# Altium PCB WUT-4-3-3.PcbDoc (part 1 of 4) (continued)
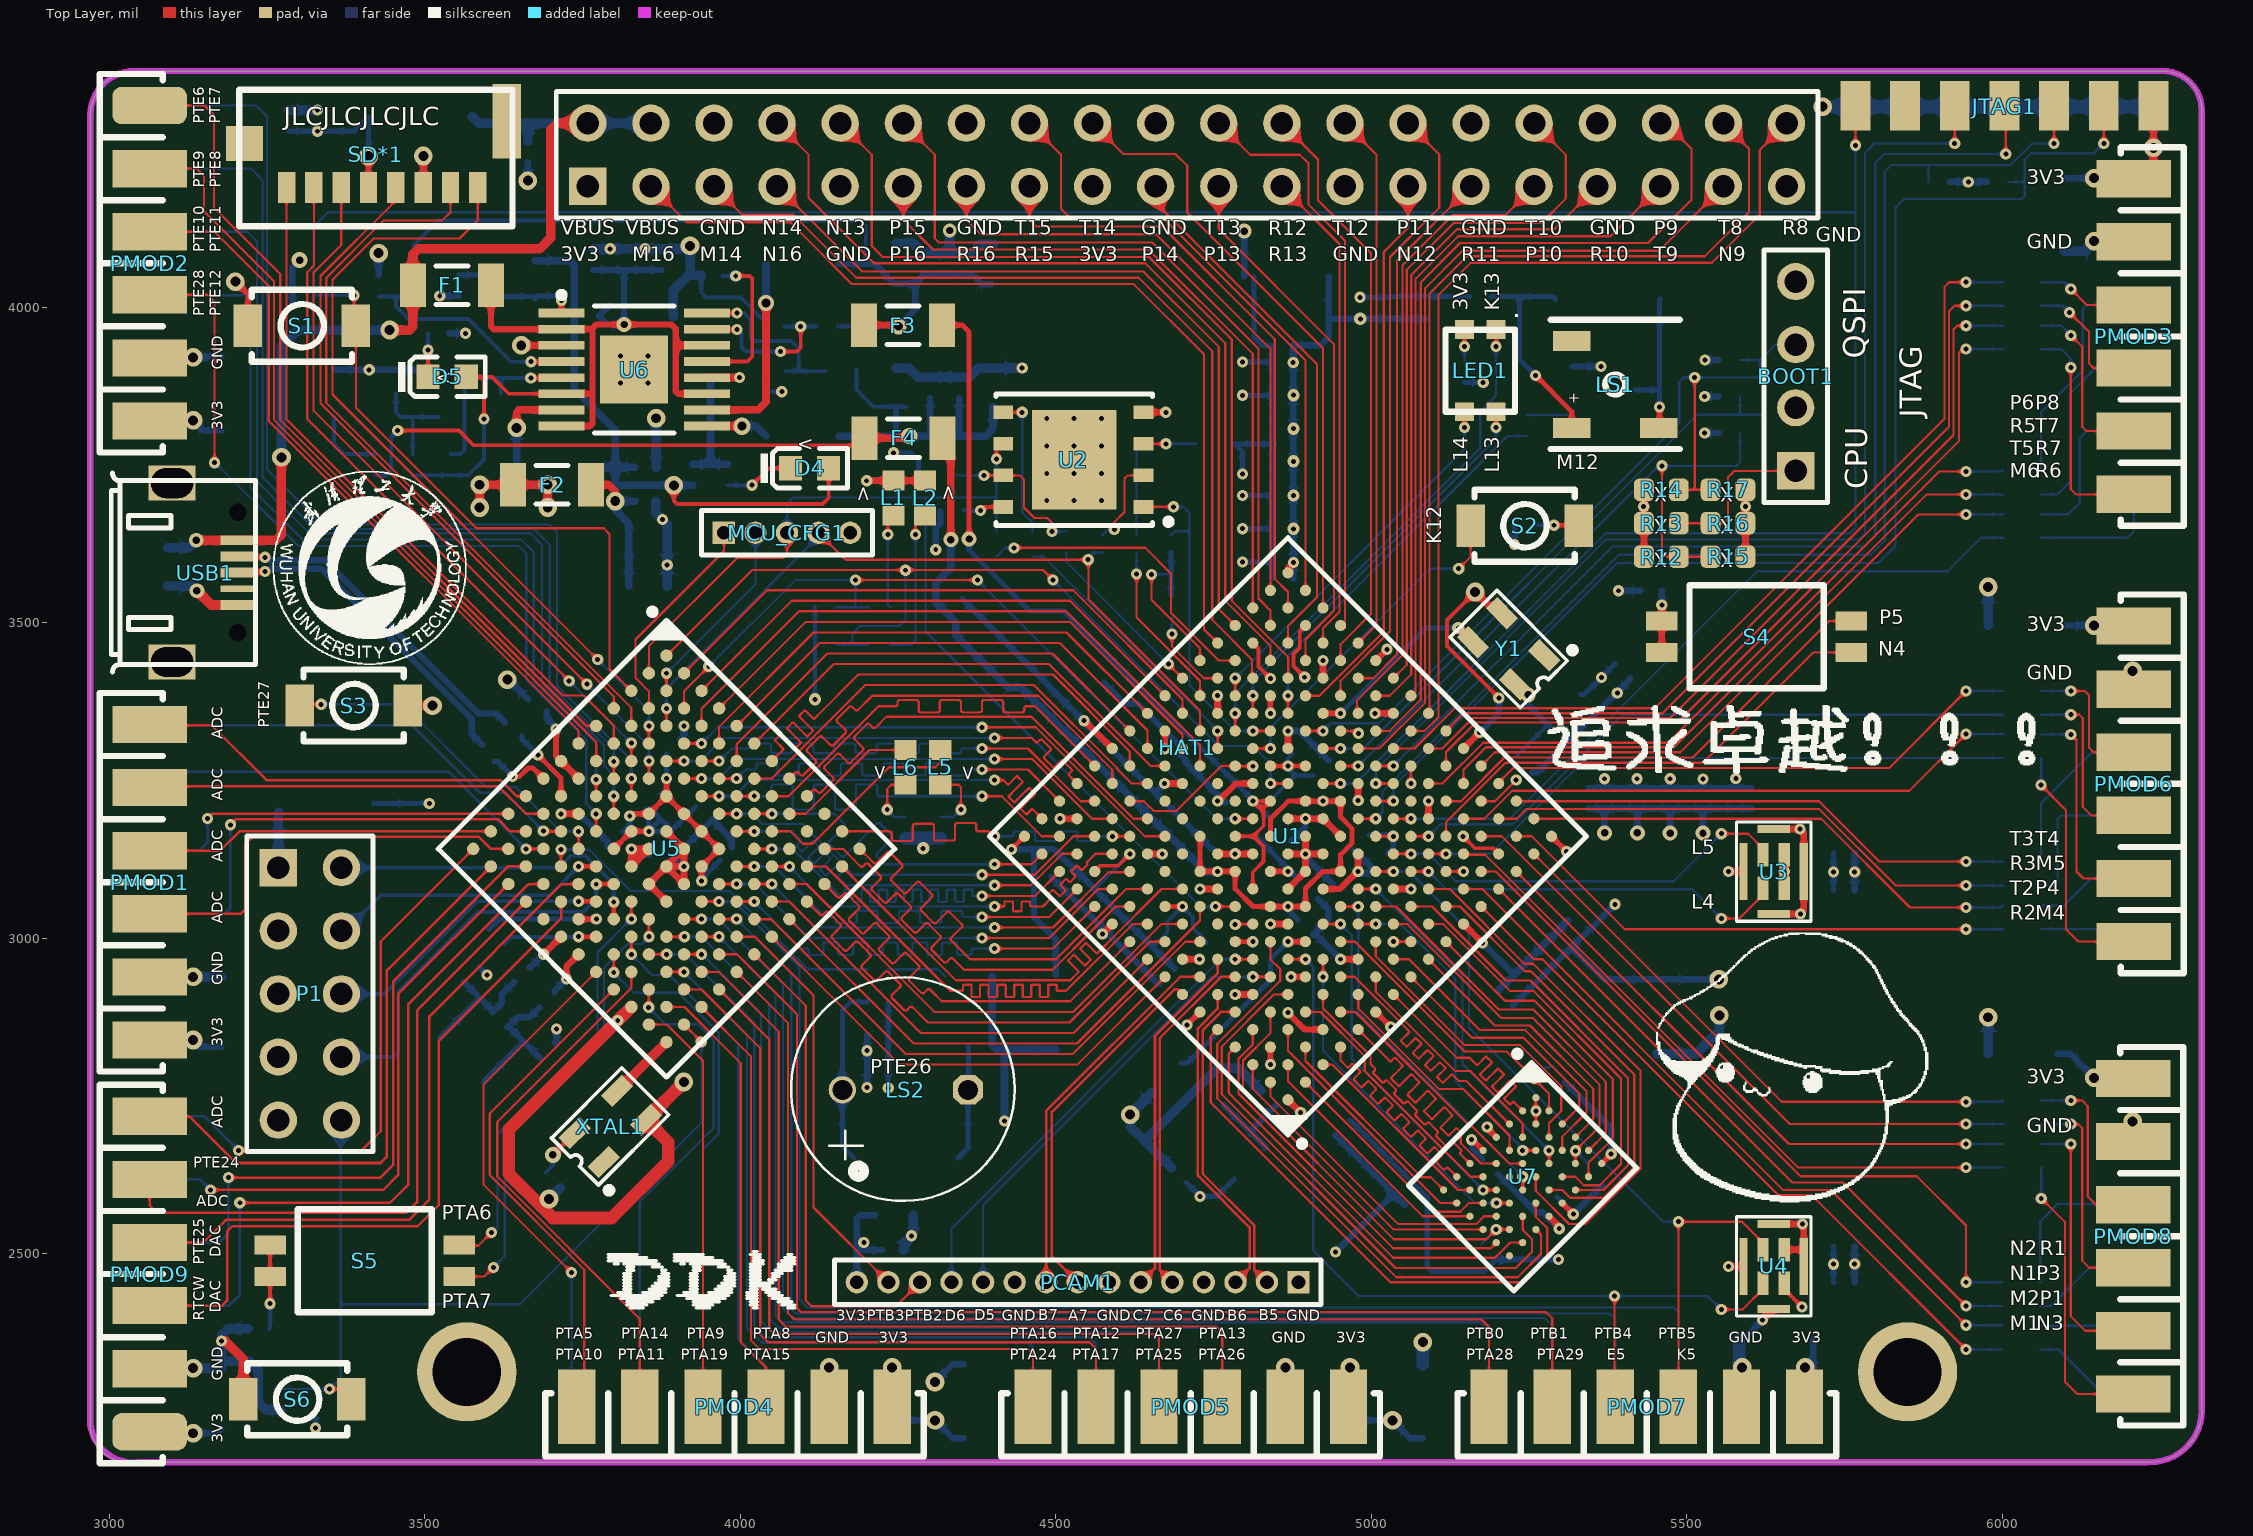
[diagram p0: Top Layer view]
## Components (designator, comment, footprint, x,y, rotation, side; value= is the part's Value field where it differs from the comment)
BOOT1 "Header 4" HDR1X4 5673,3741 r90 top
C1 "100nF (104) 10% 16V" 0402_C 4334,3677 r180 bottom
C2 "100nF (104) 10% 16V" 0402_C 5399,3424 r135 bottom
C3 "100pF (101) 5% 50V" 0402_C 5247,3272 r135 bottom
C4 "100nF (104) 10% 16V" 0402_C 4695,2625 r315 bottom
C5 "100pF (101) 5% 50V" 0402_C 4837,2747 r315 bottom
C6 "470nF (474) 10% 10V" 0402_C 4861,3142 r45 bottom
C7 "10nF (103) 10% 50V" 0402_C 4896,3106.16 r45 bottom
C8 "33nF (333) 20% 50V" 0402_C 5014,3123 r225 bottom
C9 "470nF (474) 10% 10V" 0402_C 4985,3152 r225 bottom
C10 "33nF (333) 20% 50V" 0402_C 4954.8,2699.87 r45 bottom
C11 "33nF (333) 20% 50V" 0402_C 4991.66,2663.19 r45 bottom
C12 "470nF (474) 10% 10V" 0402_C 5028.52,2626.51 r45 bottom
C13 "470nF (474) 10% 10V" 0402_C 5065.37,2589.84 r45 bottom
C14 "470nF (474) 10% 10V" 0402_C 5323.73,3016.19 r315 bottom
C15 "470nF (474) 10% 10V" 0402_C 5287.05,2979.34 r315 bottom
C16 "4.7uF (475) 20% 10V" 0402_C 5250.38,2942.48 r315 bottom
C17 "4.7uF (475) 20% 10V" 0402_C 5213.7,2905.62 r315 bottom
C18 "Cap" LC-1206 4858,4049 r180 bottom value=100uF
C19 "22uF (226) 20% 6.3V" 0603_C 4383.25,3481.4 r225 bottom
C20 "22uF (226) 20% 6.3V" 0603_C 4434,3431.4 r225 bottom
C21 "4.7uF (475) 20% 10V" 0402_C 4896,3017.24 r135 bottom
C22 "4.7uF (475) 20% 10V" 0402_C 4477.62,3387.3 r225 bottom
C23 "470nF (474) 10% 10V" 0402_C 4514.58,3350.54 r225 bottom
C24 "470nF (474) 10% 10V" 0402_C 4551.54,3313.79 r225 bottom
C25 "33nF (333) 20% 50V" 0402_C 4504.85,3109.72 r45 bottom
C26 "470nF (474) 10% 10V" 0402_C 4539.18,3075.76 r45 bottom
C27 "470nF (474) 10% 10V" 0402_C 4573.5,3041.79 r45 bottom
C28 "470nF (474) 10% 10V" 0402_C 4607.83,3007.83 r45 bottom
C29 "470nF (474) 10% 10V" 0402_C 4642.16,2973.87 r45 bottom
C30 "10uF (106) 20% 6.3V" 0402_C 4676.49,2939.91 r45 bottom
C31 "Cap" LC-1206 5453,2876 r90 bottom value=100uF
C32 "33nF (333) 20% 50V" 0402_C 4941,3197 r45 bottom
C33 "33nF (333) 20% 50V" 0402_C 4588.5,3277.03 r225 bottom
C34 "33nF (333) 20% 50V" 0402_C 4625.46,3240.27 r225 bottom
C35 "33nF (333) 20% 50V" 0402_C 4340.66,3525.84 r225 bottom
C36 "33nF (333) 20% 50V" 0402_C 5344,3222.32 r90 bottom
C37 "470nF (474) 10% 10V" 0402_C 5396,3222.32 r90 bottom
C38 "470nF (474) 10% 10V" 0402_C 5448,3222.32 r90 bottom
C39 "470nF (474) 10% 10V" 0402_C 5500,3222.32 r90 bottom
C40 "470nF (474) 10% 10V" 0402_C 5552,3222.32 r90 bottom
C41 "10uF (106) 20% 6.3V" 0402_C 5604,3222.32 r90 bottom
C42 "Cap" LC-1206 4500,2883 r90 bottom value=100uF
C43 "10uF (106) 20% 6.3V" 0402_C 4783.5,3228.66 r45 bottom
C44 "4.7uF (475) 20% 10V" 0402_C 4587.91,3417 r45 bottom
C45 "470nF (474) 10% 10V" 0402_C 4751.64,3260.66 r45 bottom
C46 "470nF (474) 10% 10V" 0402_C 4719.78,3292.66 r45 bottom
C47 "33nF (333) 20% 50V" 0402_C 4887.48,3304.84 r225 bottom
C48 "33nF (333) 20% 50V" 0402_C 4921,3270 r225 bottom
C49 "33nF (333) 20% 50V" 0402_C 4859.85,3570 r180 bottom
C50 "33nF (333) 20% 50V" 0402_C 4859.85,3622.86 r180 bottom
C51 "470nF (474) 10% 10V" 0402_C 4859.85,3675.71 r180 bottom
C52 "470nF (474) 10% 10V" 0402_C 4859.85,3728.57 r180 bottom
C53 "470nF (474) 10% 10V" 0402_C 4859.85,3781.43 r180 bottom
C54 "470nF (474) 10% 10V" 0402_C 4859.85,3834.29 r180 bottom
C55 "4.7uF (475) 20% 10V" 0402_C 4859.85,3887.14 r180 bottom
C56 "4.7uF (475) 20% 10V" 0402_C 4859.85,3940 r180 bottom
C57 "10uF (106) 20% 6.3V" 0402_C 4699.37,3166.76 r225 bottom
C58 "470nF (474) 10% 10V" 0402_C 4662.41,3203.52 r225 bottom
C59 "33nF (333) 20% 50V" 0402_C 4736.33,3130.01 r225 bottom
C60 "100nF (104) 10% 16V" 0402_C 5026.96,3999.31 r90 bottom
C61 "10uF (106) 20% 6.3V" 0402_C 5086.96,3998.84 r90 bottom
C62 "10nF (103) 10% 50V" 0402_C 3663.58,4247 r90 bottom
C63 "10uF (106) 10% 10V" 0603_C 3093,3588.84 r90 bottom
C64 "Cap" LC-1206 3178,3863.81 r270 bottom value=100uF
C65 "100nF (104) 10% 16V" 0402_C 4218,2847 r0 bottom
C66 "10uF (106) 20% 6.3V" 0402_C 4218,2797 r0 bottom
C67 "Cap" LC-1206 3178,2886.59 r270 bottom value=100uF
C68 "Cap" LC-1206 6098.47,4148 r90 bottom value=100uF
C69 "Cap" LC-1206 4354,2266.5 r270 bottom value=100uF
C70 "Cap" LC-1206 5082,2266.5 r270 bottom value=100uF
C71 "Cap" LC-1206 6037,3496 r0 bottom value=100uF
C72 "Cap" LC-1206 5642,2364 r0 bottom value=100uF
C73 "100nF (104) 10% 16V" 0402_C 3284,4296 r270 bottom
C74 "Cap" LC-1206 6037,2817 r0 bottom value=100uF
C75 "100nF (104) 10% 16V" 0402_C 5749.68,3075.81 r180 bottom
C76 "10uF (106) 20% 6.3V" 0402_C 5749.68,3135 r180 bottom
C77 "22uF (226) 20% 6.3V" 0603_C 4244.28,2561 r0 bottom
C78 "Cap" LC-1206 3178,2271 r270 bottom value=100uF
C79 "100nF (104) 10% 16V" 0402_C 4242,2506 r0 bottom
C80 "100nF (104) 10% 16V" 0402_C 5750,2455 r180 bottom
C81 "10uF (106) 20% 6.3V" 0402_C 5749.68,2512 r180 bottom
C82 "100pF (101) 5% 50V" 0402_C 3875,4076 r270 bottom
C83 "4.7uF (475) 20% 10V" 0402_C 3821,4076 r90 bottom
C84 "100nF (104) 10% 16V" 0402_C 3767,4076 r270 bottom
C85 "10nF (103) 10% 50V" 0402_C 4347,3873 r270 bottom
C86 "10uF (106) 20% 6.3V" 0402_C 4301,3873 r270 bottom
C87 "22uF (226) 20% 6.3V" 0603_C 4247,3873 r270 bottom
C88 "22uF (226) 20% 6.3V" 0603_C 4400.59,3873 r270 bottom
C89 "10nF (103) 10% 50V" 0402_C 4301,4068 r270 bottom
C90 "10uF (106) 20% 6.3V" 0402_C 4347,4068 r270 bottom
C91 "22uF (226) 20% 6.3V" 0603_C 4247,4070 r270 bottom
C92 "22uF (226) 20% 6.3V" 0603_C 4402.12,4070 r270 bottom
C93 "Cap" LC-1206 3835,3986 r180 bottom value=100uF
C94 "10nF (103) 10% 50V" 0402_C 3849.72,3693 r180 bottom
C95 "10uF (106) 20% 6.3V" 0402_C 3850,3746.79 r180 bottom
C96 "22uF (226) 20% 6.3V" 0603_C 3850,3558 r180 bottom
C97 "22uF (226) 20% 6.3V" 0603_C 3849.81,3629 r180 bottom
C98 "100nF (104) 10% 16V" 0402_C 3271.83,2269 r90 bottom
C99 "12pF (120) 5% 50V" 0402_C 3694.33,2822.84 r45 bottom
C100 "12pF (120) 5% 50V" 0402_C 3574.23,2942.6 r45 bottom
C101 "10nF (103) 10% 50V" 0402_C 3902.87,3159.84 r315 bottom locked
C102 "100nF (104) 10% 16V" 0402_C 3893,3304 r225 bottom
C103 "100nF (104) 10% 16V" 0402_C 3802,3157.35 r45 bottom locked
C104 "100nF (104) 10% 16V" 0402_C 3981,3136 r225 bottom
C105 "100nF (104) 10% 16V" 0402_C 3941,3197 r315 bottom locked
C106 "100nF (104) 10% 16V" 0402_C 3703.16,2616.84 r135 bottom
C107 "100nF (104) 10% 16V" 0402_C 5282,2577 r45 bottom
C108 "100nF (104) 10% 16V" 0402_C 5189.5,2638 r135 bottom
D1 "SS54" SMA(DO-214AC)_S1 3493,4302 r180 bottom
D2 "SS54" SMA(DO-214AC)_S1 5375,4013 r0 bottom
D3 "SS54" SMA(DO-214AC)_S1 4263,2664 r0 bottom
D4 "黄灯 0603" 0603_LED_S1 4110,3745 r0 top
D5 "绿灯 0603" 0603_LED_S1 3535.56,3890 r0 top
D6 "SS54" SMA(DO-214AC)_S1 3336.41,3214 r0 bottom
F1 "Fuse 1" 1206 3543.17,4035 r180 top
F2 "Fuse 1" 1206 3701.88,3719 r180 top
F3 "Fuse 1" 1206 4258,3972 r180 top
F4 "Fuse 1" 1206 4259,3793 r180 top
FB1 "600Ω ±25% 100MHz" 0805_L 4807.5,2643 r45 bottom
FB2 "600Ω ±25% 100MHz" 0805_L 5304,3365 r225 bottom
HAT1 "respberry-HAT" RESPBERRY-HAT 4708.5,4242 r0 top locked
JTAG1 "MHDR2X7" SMT7*2-2MM 6003,4300 r0 top
L1 "LED" 1608[0603]#1 4243,3698 r90 top
L2 "LED" 1608[0603]#1 4293,3698 r90 top
L3 "39nH" 0402_L 4928,3074 r45 bottom
L4 "10nH 5%" 0402_L 4829,3174 r225 bottom
L5 "LED" 1608[0603]#1 4317,3271 r270 top
L6 "LED" 1608[0603]#1 4262,3271 r270 top
L7 "3.3uH" LC-1210 3704,3738 r180 bottom
L8 "3.3uH" LC-1210 4098,4069 r0 bottom
L9 "3.3uH" LC-1210 4099,3796 r0 bottom
LED1 "RGB_LED1206" RGB 5173,3899.73 r270 top locked
LS1 "Bell" "MLT-5020 BZ" 5387,3878 r0 top
LS2 "Bell" BZ 4257.47,2760 r90 top locked
MCU_CFG1 "Header 5" MHDR1X5 3974.22,3642.84 r0 top
P1 "JTAG" HDR2X5 3268,3112 r270 top locked
PCAM1 "Header 15" MHDR1X15 4885,2455 r180 top locked
PMOD1 "Header 6X2A" "SMT-HEADER 6*2"#1 3064,3089 r180 top locked
PMOD2 "Header 6X2A" "SMT-HEADER 6*2"#2 3064,4070 r180 top locked
PMOD3 "Header 6X2A" "SMT-HEADER 6*2"#1 6209,3954 r0 top locked
PMOD4 "Header 6X2A" "SMT-HEADER 6*2"#1 3991,2258 r270 top locked
PMOD5 "Header 6X2A" "SMT-HEADER 6*2"#1 4714,2258 r270 top locked
PMOD6 "Header 6X2A" "SMT-HEADER 6*2"#1 6209,3245 r0 top locked
PMOD7 "Header 6X2A" "SMT-HEADER 6*2"#1 5437,2258 r270 top locked
PMOD8 "Header 6X2A" "SMT-HEADER 6*2"#1 6208,2528 r0 top locked
PMOD9 "Header 6X2A" "SMT-HEADER 6*2"#3 3064,2468 r180 top locked
Q1 "SS8050 Y1" SOT-23(SOT-23-3) 5369,3869 r180 bottom
Q2 "SS8050 Y1" SOT-23(SOT-23-3) 4362,2890.83 r90 bottom
Q3 "SS8050 Y1" SOT-23(SOT-23-3) 3571.43,3863.81 r180 bottom
Q4 "SS8050 Y1" SOT-23(SOT-23-3) 3405.4,3863.81 r180 bottom
R1 "10KΩ (1002) ±1%" 0402_R 5993,4199 r180 bottom
R2 "10KΩ (1002) ±1%" 0402_R 5900,4199 r0 bottom
R3 "200Ω (2000) ±1%" 0402_R 4135.36,3524.85 r180 bottom
R4 "4.7KΩ (4701) ±1%" 0402_R 3307,4002 r180 bottom
R5 "4.7KΩ (4701) ±1%" 0402_R 4135.36,3464.83 r180 bottom
R6 "4.7KΩ (4701) ±1%" 0402_R 4750.34,3007.05 r45 bottom
R7 "2.2KΩ (2201) ±1%" 0402_R 4221,3525 r180 bottom
R8 "2.2KΩ (2201) ±1%" 0402_R 4221,3465 r180 bottom
R9 "1KΩ (1001) ±1%" 0402_R 5568,3916.73 r180 bottom
R10 "1KΩ (1001) ±1%" 0402_R 5568,3858.83 r180 bottom
R11 "1KΩ (1001) ±1%" 0402_R 5568,3800.92 r180 bottom
R12 "Res" 1608[0603]#2 5460,3605 r180 top value=1K
R13 "不贴" 1608[0603]#2 5460,3658 r180 top value=1K
R14 "不贴" 1608[0603]#2 5460,3711 r180 top value=1K
R15 "不贴" 1608[0603]#2 5565.72,3605 r180 top value=1K
R16 "Res" 1608[0603]#2 5565.72,3658 r180 top value=1K
R17 "Res" 1608[0603]#2 5565.72,3711 r180 top value=1K
R18 "1KΩ (1001) ±1%" 0402_R 4684.22,3525.84 r90 bottom
R19 "49.9Ω (49R9) ±1%" 0402_R 4407,3628 r90 bottom
R20 "1.8KΩ (1801) ±1%" 0603_R 4753.59,3783.84 r0 bottom
R21 "4.7KΩ (4701) ±1%" 0402_R 4683,3628 r270 bottom
R22 "1.8KΩ (1801) ±1%" 0603_R 4312.85,3734.84 r180 bottom
R23 "100Ω (1000) ±1%" 0402_R 4574.17,3628 r90 bottom
R24 "100Ω (1000) ±1%" 0402_R 4518.17,3628 r270 bottom
R25 "100Ω (1000) ±1%" 0402_R 4629.17,3628 r90 bottom
R26 "100Ω (1000) ±1%" 0402_R 4464.17,3628 r270 bottom
R27 "0Ω (0R0) ±1%" 0402_R 3639.22,3329.84 r315 bottom
R28 "0Ω (0R0) ±1%" 0402_R 3603.22,3294.84 r315 bottom
R29 "51Ω (51R0) ±1%" 0402_R 5173,4017.54 r180 bottom
R30 "1KΩ (1001) ±1%" 0402_R 5148,3898 r90 bottom
R31 "1.5KΩ (1501) ±1%" 0402_R 5246.74,3813 r90 bottom
R32 "10Ω (10R0) ±1%" 0402_R 4218,2899 r0 bottom
R33 "2KΩ (2001) ±1%" 0402_R 4318.02,3175.65 r270 bottom
R34 "2KΩ (2001) ±1%" 0402_R 4262,3175.65 r270 bottom
R35 "1KΩ (1001) ±1%" 0402_R 5244,3654.83 r180 bottom
R36 "1.5KΩ (1501) ±1%" 0402_R 4218,2951 r0 bottom
R37 "10Ω (10R0) ±1%" 0402_R 5444,3551 r180 bottom
R38 "10Ω (10R0) ±1%" 0402_R 3237,2381 r180 bottom
R39 "100KΩ (1003) ±1%" 0402_R 3955,4050.73 r180 bottom
R40 "150KΩ (1503) ±1%" 0402_R 4138,3970 r0 bottom
R41 "180KΩ (1803) ±1%" 0603_R 3675,4044 r90 bottom
R42 "30KΩ (3002) ±1%" 0603_R 4154,3901 r0 bottom
R43 "100KΩ (1003) ±1%" 0402_R 3541.43,3750.81 r270 bottom
R44 "2KΩ (2001) ±1%" 0402_R 3482.17,4034.64 r90 bottom
R45 "100KΩ (1003) ±1%" 0402_R 3481.04,3750.81 r270 bottom
R46 "120KΩ (1203) ±1%" 0402_R 4055,3899 r0 bottom
R47 "120KΩ (1203) ±1%" 0402_R 4054,3970 r0 bottom
R48 "56KΩ (5602) ±1%" 0402_R 3609,4034 r270 bottom
R49 "100KΩ (1003) ±1%" 0402_R 3925.17,3735 r270 bottom
R50 "7.5KΩ (7501) ±1%" 0402_R 3980.17,3735 r270 bottom
R51 "7.5KΩ (7501) ±1%" 0402_R 3522,3959 r180 bottom
R52 "2KΩ (2001) ±1%" 0402_R 3554,4035 r90 bottom
R53 "10KΩ (1002) ±1%" 0402_R 3427.04,4034.28 r270 bottom
R54 "300Ω (3000) ±1%" 0402_R 3421.72,3750.81 r90 bottom
R55 "10KΩ (1002) ±1%" 0402_R 3676,3367 r315 bottom
R56 "10KΩ (1002) ±1%" 0402_R 3326.83,2269 r270 bottom
R57 "0Ω (0R0) ±1%" 0402_R 3694.23,2902.6 r225 bottom
R58 "1MΩ (1004) ±1%" 0402_R 3619.23,2870.84 r315 bottom
R59 "0Ω (0R0) ±1%" 0402_R 3653.68,2942.6 r225 bottom
R60 "10KΩ (1002) ±1%" 0402_R 3614,3002.64 r135 bottom
R61 "0Ω (0R0) ±1%" 0402_R 3866.87,3120.84 r315 bottom locked
R62 "0Ω (0R0) ±1%" 0402_R 3863,3217 r225 bottom locked
R63 "10KΩ (1002) ±1%" 0402_R 5355.81,2618.65 r135 bottom
R64 "10KΩ (1002) ±1%" 0402_R 5186,2503 r135 bottom
R65 "10KΩ (1002) ±1%" 0402_R 5295.97,2784 r135 bottom
Rp1 "470Ω (471) ±5%" 0603_Rx4 6031.49,3688 r270 bottom locked
Rp2 "470Ω (471) ±5%" 0603_Rx4 6031.81,3986.85 r270 bottom locked
Rp3 "470Ω (471) ±5%" 0603_Rx4 6031.49,3067.85 r270 bottom locked
Rp4 "470Ω (471) ±5%" 0603_Rx4 6031.81,3338.85 r270 bottom locked
Rp5 "470Ω (471) ±5%" 0603_Rx4 6030.12,2401.7 r270 bottom locked
Rp6 "470Ω (471) ±5%" 0603_Rx4 6031.81,2689.85 r270 bottom locked
S1 "SW-PB" "key 3*4*2" 3306,3971 r0 top
S2 "SW-PB" "key 3*4*2" 5244,3654 r0 top
S3 "SW-PB" "key 3*4*2" 3388,3369 r0 top
S4 "SW DIP-2" sw*2 5611,3478 r180 top
S5 "SW DIP-2" sw*2 3405,2489 r180 top
S6 "SW-PB" "key 3*4*2" 3298.68,2269.69 r0 top
SD*1 "TF_card" TF卡座(短体) 3639.22,4345 r180 top locked
U1 "XC7A35T-1FTG256" BGA100P9X9-81A 4868.16,3161.84 r135 top locked
U2 "N25Q032A" QFN127P500X600X100_HS-9N 4529.22,3758.84 r180 top locked
U3 "SPK0641" SPK0641HT 5638,3106 r0 top
U4 "SPK0641" SPK0641HT 5638,2480 r0 top
U5 "MK64BGA144" BGA144C100P12X12_1300X1300X161 3883.16,3141.84 r315 top locked
U6 "LTC3569" SOP127P600-16N 3832,3901.58 r0 top locked
U7 "EM7164SU16" BGA48C75P6X8_598X698X104 5240.22,2622.2 r315 top locked
USB1 "USB_5line" USB-MICRO-5P-2F 3204,3631 r90 top locked
XTAL1 "50M有源晶体" XTAL7_3225 3794.22,2701.84 r45 top
Y1 "100MHZ" XTAL7_3225 5218,3459 r135 top
Y2 "XMHZ" XTAL7_3225 4710.17,2746 r135 bottom
Y3 "32.768KHz ±20ppm 12.5pF" "SMD-3215_2P FC - 135" 3559.23,2807.6 r315 bottom

## Footprints (in the part's own frame and the unit in brackets; to place one, negate y for a bottom-side part, rotate by r counter-clockwise, add the part's x,y. Pads: shape width x height; smd on the part's side, far side on the other; paste and mask are expansions set on the pad)
0402_C [mm]
  rect 0.6x0.65 smd mask+0.051: 1(-0.425,0) 2(0.425,0)
  silkscreen extent -0.97,-0.58 0.97,0.58, body extent -0.48,-0.3 0.52,0.3, height 0.2
0402_L [mm]
  rect 0.6x0.65 smd mask+0.051: 1(-0.425,0) 2(0.425,0)
  silkscreen extent -0.97,-0.58 0.97,0.58, body extent -0.49,-0.26 0.52,0.26, height 0.36
0402_R [mm]
  rect 0.6x0.65 smd mask+0.051: 1(-0.425,0) 2(0.425,0)
  silkscreen extent -0.97,-0.58 0.97,0.58, body extent -0.57,-0.27 0.58,0.28, height 0.41
0603_C [mm]
  rect 0.93x0.98 smd: 1(-0.77,0) 2(0.77,0)
  silkscreen extent -1.53,-0.79 1.54,0.79, body extent -0.8,-0.4 0.8,0.4, height 0.3
0603_LED_S1 [mm]
  rect 0.93x0.98 smd: A(0.77,0) K(-0.77,0)
  silkscreen extent -1.97,-0.79 1.54,0.79, body extent -0.8,-0.4 0.8,0.4, height 0.6
0603_R [mm]
  rect 0.93x0.98 smd: 1(-0.77,0) 2(0.77,0)
  silkscreen extent -1.53,-0.79 1.54,0.79, body extent -0.85,-0.4 0.85,0.4, height 0.56
0603_Rx4 [mm]
  rect 0.75x0.8 smd mask+0.051: 1(-1.35,-0.77) 4(1.35,-0.77) 5(1.35,0.77) 8(-1.35,0.77)
  rect 0.58x0.8 smd mask+0.051: 2(-0.4,-0.77) 3(0.4,-0.77) 6(0.4,0.77) 7(-0.4,0.77)
  silkscreen extent -2.02,-1.47 2.02,1.47, body extent -1.6,-0.8 1.6,0.8, height 0.55
0805_L [mm]
  rect 1.16x1.47 smd: 1(-0.89,0) 2(0.89,0)
  silkscreen extent -1.77,-1.04 1.77,1.03, body extent -1,-0.64 1,0.64, height 0.6
1206 [mm]
  rect 1.05x1.75 smd: 1(-1.575,0) 2(1.575,0)
  silkscreen extent -0.65,-0.77 0.65,0.77, body extent -1.6,-0.8 1.6,0.8, height 1.6
1608[0603]#1 [mm] "Chip Capacitor, Body 1.6x0.8mm, IPC High Density"
  rect 0.8x0.9 smd: 1(-0.7,0) 2(0.7,0)
  body extent -0.87,-0.48 0.87,0.48, height 1.3
1608[0603]#2 [mm] "Chip Capacitor, Body 1.6x0.8mm, IPC High Density"
  rrect50% 0.8x0.9 smd: 1(-0.7,0) 2(0.7,0)
  body extent -0.87,-0.48 0.87,0.48, height 1.3
BGA48C75P6X8_598X698X104 [mm] "BGA, 48-Leads, Body 5.98x6.98mmx1.04mm, Pitch 0.75mm"
  round 0.29 smd: A1(-1.875,2.625) A2(-1.125,2.625) A3(-0.375,2.625) A4(0.375,2.625) A5(1.125,2.625) A6(1.875,2.625) B1(-1.875,1.875) B2(-1.125,1.875) B3(-0.375,1.875) B4(0.375,1.875) B5(1.125,1.875) B6(1.875,1.875) C1(-1.875,1.125) C2(-1.125,1.125) C3(-0.375,1.125) C4(0.375,1.125) C5(1.125,1.125) C6(1.875,1.125) D1(-1.875,0.375) D2(-1.125,0.375) D3(-0.375,0.375) D4(0.375,0.375) D5(1.125,0.375) D6(1.875,0.375) E1(-1.875,-0.375) E2(-1.125,-0.375) E3(-0.375,-0.375) E4(0.375,-0.375) E5(1.125,-0.375) E6(1.875,-0.375) F1(-1.875,-1.125) F2(-1.125,-1.125) F3(-0.375,-1.125) F4(0.375,-1.125) F5(1.125,-1.125) F6(1.875,-1.125) G1(-1.875,-1.875) G2(-1.125,-1.875) G3(-0.375,-1.875) G4(0.375,-1.875) G5(1.125,-1.875) G6(1.875,-1.875) H1(-1.875,-2.625) H2(-1.125,-2.625) H3(-0.375,-2.625) H4(0.375,-2.625) H5(1.125,-2.625) H6(1.875,-2.625)
  silkscreen extent -3.77,-3.5 3,3.5, body extent -2.99,-3.49 2.99,3.49, height 1.04
BGA100P9X9-81A [mm] "XC7A35T-1FTG256"
  round 0.45 smd: A1(-7.5,7.5) A2(-6.5,7.5) A3(-5.5,7.5) A4(-4.5,7.5) A5(-3.5,7.5) A6(-2.5,7.5) A7(-1.5,7.5) A8(-0.5,7.5) A9(0.5,7.5) A10(1.5,7.5) A11(2.5,7.5) A12(3.5,7.5) A13(4.5,7.5) A14(5.5,7.5) A15(6.5,7.5) A16(7.5,7.5) B1(-7.5,6.5) B2(-6.5,6.5) B3(-5.5,6.5) B4(-4.5,6.5) B5(-3.5,6.5) B6(-2.5,6.5) B7(-1.5,6.5) B8(-0.5,6.5) B9(0.5,6.5) B10(1.5,6.5) B11(2.5,6.5) B12(3.5,6.5) B13(4.5,6.5) B14(5.5,6.5) B15(6.5,6.5) B16(7.5,6.5) C1(-7.5,5.5) C2(-6.5,5.5) C3(-5.5,5.5) C4(-4.5,5.5) C5(-3.5,5.5) C6(-2.5,5.5) C7(-1.5,5.5) C8(-0.5,5.5) C9(0.5,5.5) C10(1.5,5.5) C11(2.5,5.5) C12(3.5,5.5) C13(4.5,5.5) C14(5.5,5.5) C15(6.5,5.5) C16(7.5,5.5) D1(-7.5,4.5) D2(-6.5,4.5) D3(-5.5,4.5) D4(-4.5,4.5) D5(-3.5,4.5) D6(-2.5,4.5) D7(-1.5,4.5) D8(-0.5,4.5) D9(0.5,4.5) D10(1.5,4.5) D11(2.5,4.5) D12(3.5,4.5) D13(4.5,4.5) D14(5.5,4.5) D15(6.5,4.5) D16(7.5,4.5) E1(-7.5,3.5) E2(-6.5,3.5) E3(-5.5,3.5) E4(-4.5,3.5) E5(-3.5,3.5) E6(-2.5,3.5) E7(-1.5,3.5) E8(-0.5,3.5) E9(0.5,3.5) E10(1.5,3.5) E11(2.5,3.5) E12(3.5,3.5) E13(4.5,3.5) E14(5.5,3.5) E15(6.5,3.5) E16(7.5,3.5) F1(-7.5,2.5) F2(-6.5,2.5) F3(-5.5,2.5) F4(-4.5,2.5) F5(-3.5,2.5) F6(-2.5,2.5) F7(-1.5,2.5) F8(-0.5,2.5) F9(0.5,2.5) F10(1.5,2.5) F11(2.5,2.5) F12(3.5,2.5) F13(4.5,2.5) F14(5.5,2.5) F15(6.5,2.5) F16(7.5,2.5) G1(-7.5,1.5) G2(-6.5,1.5) G3(-5.5,1.5) G4(-4.5,1.5) G5(-3.5,1.5) G6(-2.5,1.5) G7(-1.5,1.5) G8(-0.5,1.5) G9(0.5,1.5) G10(1.5,1.5) G11(2.5,1.5) G12(3.5,1.5) G13(4.5,1.5) G14(5.5,1.5) G15(6.5,1.5) G16(7.5,1.5) H1(-7.5,0.5) H2(-6.5,0.5) H3(-5.5,0.5) H4(-4.5,0.5) H5(-3.5,0.5) H6(-2.5,0.5) H7(-1.5,0.5) H8(-0.5,0.5) H9(0.5,0.5) H10(1.5,0.5) H11(2.5,0.5) H12(3.5,0.5) H13(4.5,0.5) H14(5.5,0.5) H15(6.5,0.5) H16(7.5,0.5) J1(-7.5,-0.5) J2(-6.5,-0.5) J3(-5.5,-0.5) J4(-4.5,-0.5) J5(-3.5,-0.5) J6(-2.5,-0.5) J7(-1.5,-0.5) J8(-0.5,-0.5) J9(0.5,-0.5) J10(1.5,-0.5) J11(2.5,-0.5) J12(3.5,-0.5) J13(4.5,-0.5) J14(5.5,-0.5) J15(6.5,-0.5) J16(7.5,-0.5) K1(-7.5,-1.5) K2(-6.5,-1.5) K3(-5.5,-1.5) K4(-4.5,-1.5) K5(-3.5,-1.5) K6(-2.5,-1.5) K7(-1.5,-1.5) K8(-0.5,-1.5) K9(0.5,-1.5) K10(1.5,-1.5) K11(2.5,-1.5) K12(3.5,-1.5) K13(4.5,-1.5) K14(5.5,-1.5) K15(6.5,-1.5) K16(7.5,-1.5) L1(-7.5,-2.5) L2(-6.5,-2.5) L3(-5.5,-2.5) L4(-4.5,-2.5) L5(-3.5,-2.5) L6(-2.5,-2.5) L7(-1.5,-2.5) L8(-0.5,-2.5) L9(0.5,-2.5) L10(1.5,-2.5) L11(2.5,-2.5) L12(3.5,-2.5) L13(4.5,-2.5) L14(5.5,-2.5) L15(6.5,-2.5) L16(7.5,-2.5) M1(-7.5,-3.5) M2(-6.5,-3.5) M3(-5.5,-3.5) M4(-4.5,-3.5) M5(-3.5,-3.5) M6(-2.5,-3.5) M7(-1.5,-3.5) M8(-0.5,-3.5) M9(0.5,-3.5) M10(1.5,-3.5) M11(2.5,-3.5) M12(3.5,-3.5) M13(4.5,-3.5) M14(5.5,-3.5) M15(6.5,-3.5) M16(7.5,-3.5) N1(-7.5,-4.5) N2(-6.5,-4.5) N3(-5.5,-4.5) N4(-4.5,-4.5) N5(-3.5,-4.5) N6(-2.5,-4.5) N7(-1.5,-4.5) N8(-0.5,-4.5) N9(0.5,-4.5) N10(1.5,-4.5) N11(2.5,-4.5) N12(3.5,-4.5) N13(4.5,-4.5) N14(5.5,-4.5) N15(6.5,-4.5) N16(7.5,-4.5) P1(-7.5,-5.5) P2(-6.5,-5.5) P3(-5.5,-5.5) P4(-4.5,-5.5) P5(-3.5,-5.5) P6(-2.5,-5.5) P7(-1.5,-5.5) P8(-0.5,-5.5) P9(0.5,-5.5) P10(1.5,-5.5) P11(2.5,-5.5) P12(3.5,-5.5) P13(4.5,-5.5) P14(5.5,-5.5) P15(6.5,-5.5) P16(7.5,-5.5) R1(-7.5,-6.5) R2(-6.5,-6.5) R3(-5.5,-6.5) R4(-4.5,-6.5) R5(-3.5,-6.5) R6(-2.5,-6.5) R7(-1.5,-6.5) R8(-0.5,-6.5) R9(0.5,-6.5) R10(1.5,-6.5) R11(2.5,-6.5) R12(3.5,-6.5) R13(4.5,-6.5) R14(5.5,-6.5) R15(6.5,-6.5) R16(7.5,-6.5) T1(-7.5,-7.5) T2(-6.5,-7.5) T3(-5.5,-7.5) T4(-4.5,-7.5) T5(-3.5,-7.5) T6(-2.5,-7.5) T7(-1.5,-7.5) T8(-0.5,-7.5) T9(0.5,-7.5) T10(1.5,-7.5) T11(2.5,-7.5) T12(3.5,-7.5) T13(4.5,-7.5) T14(5.5,-7.5) T15(6.5,-7.5) T16(7.5,-7.5)